# KiCad board EKO_Miner_BM1366-13xx_16-01B.kicad_pcb (continued)
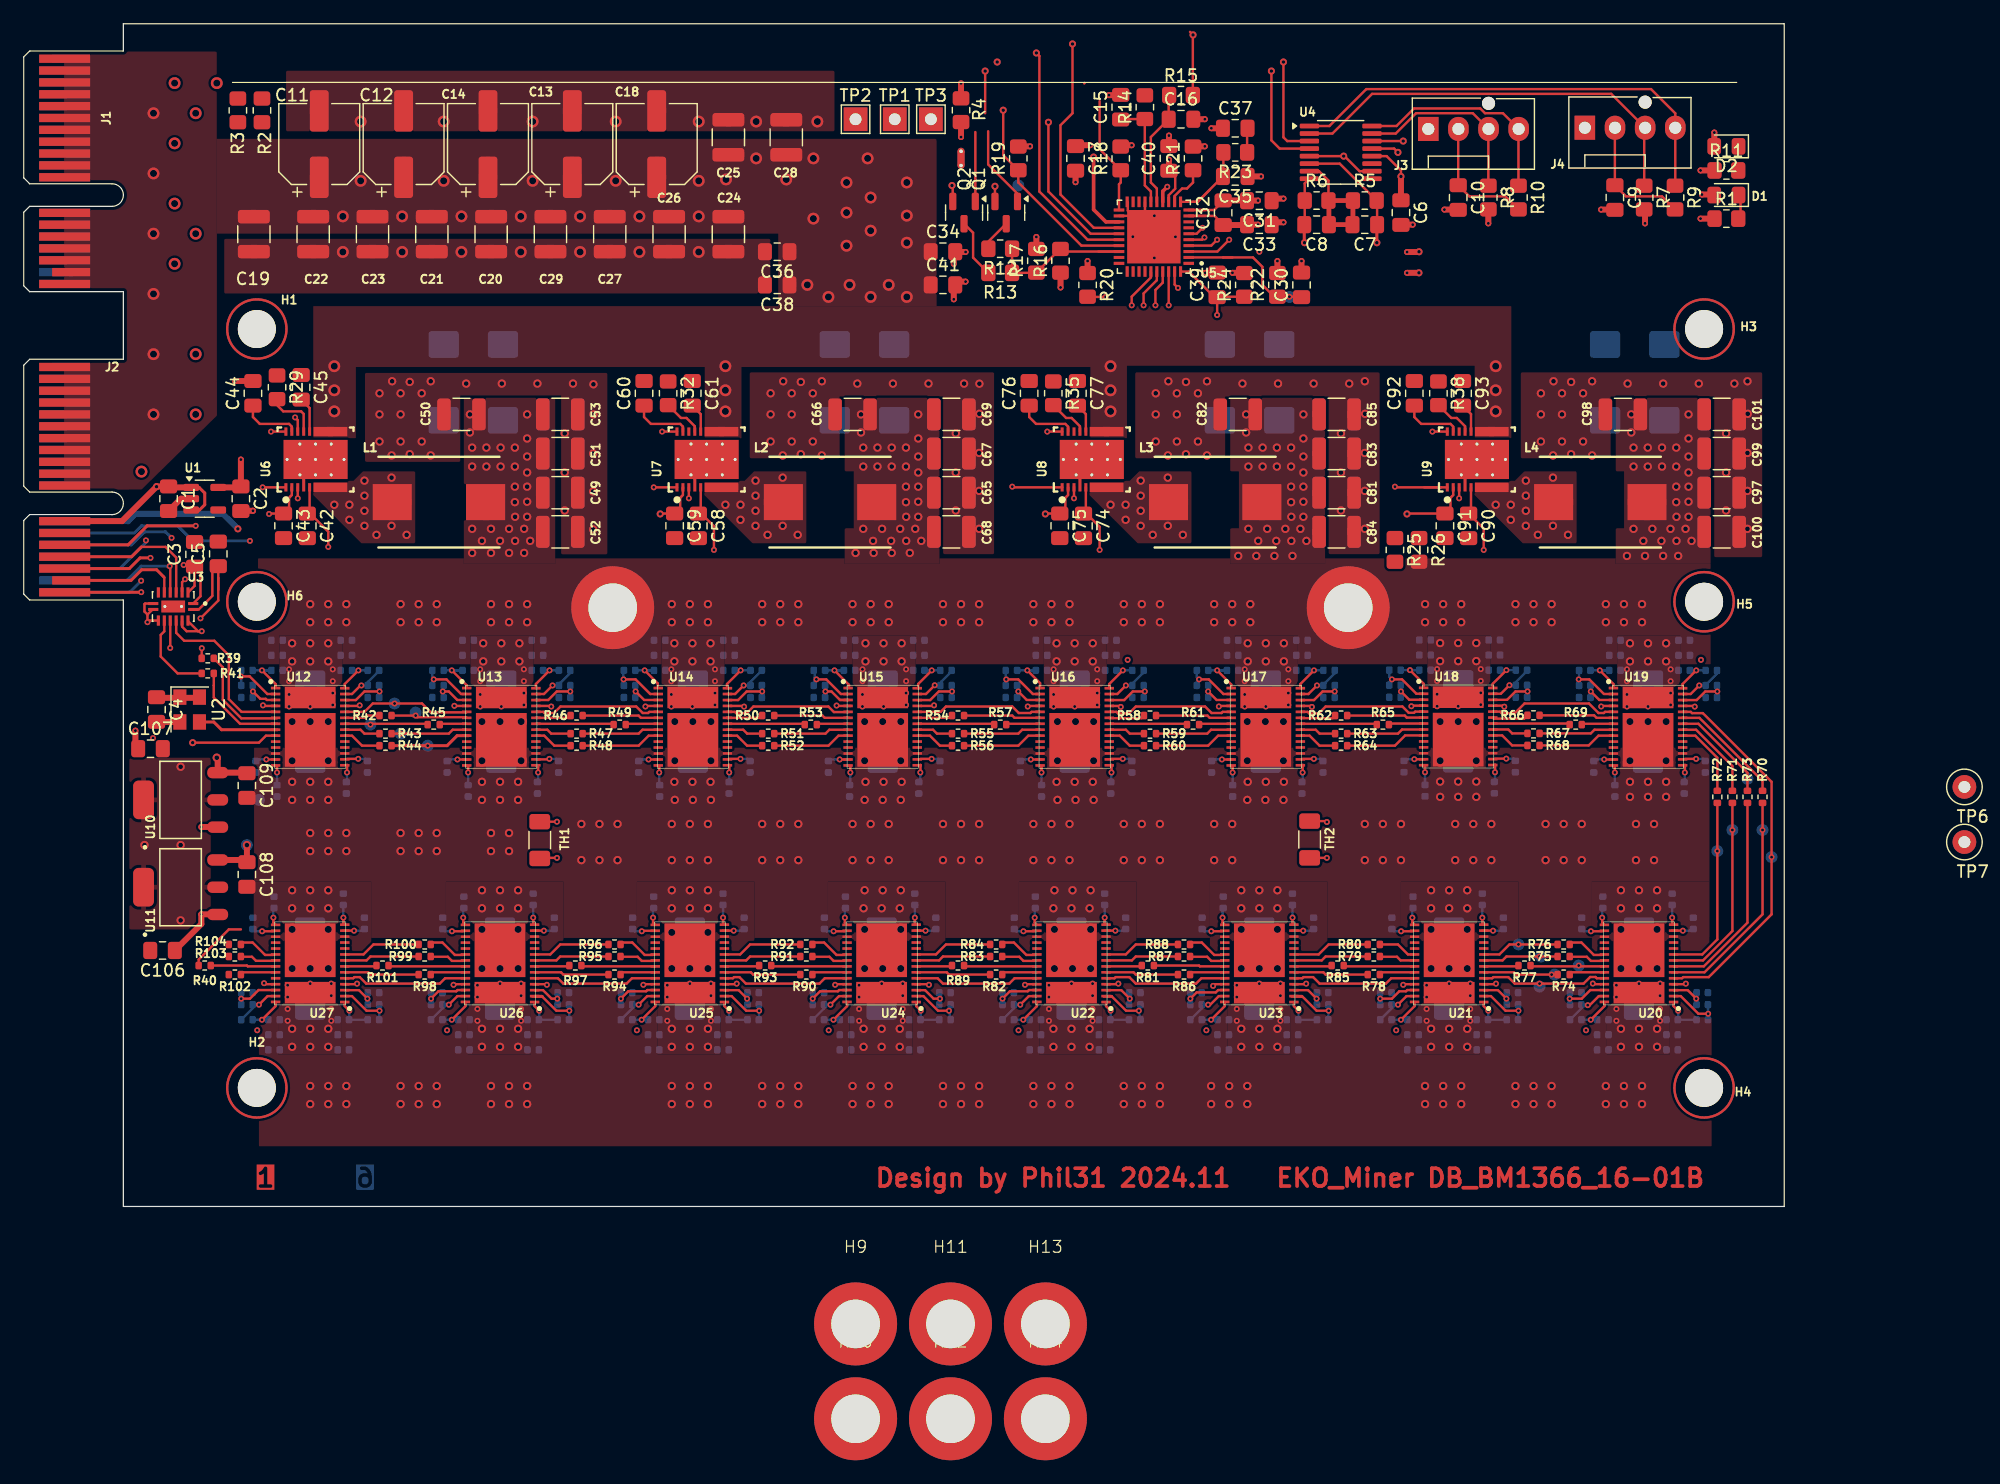
[diagram p0: board, top side]
## Nets (continued)
/ASICs/ASICs_BM1366_2/BM1366-5/VDD3_1: C346.2 C347.1 U25.26
/ASICs/ASICs_BM1366_2/BM1366-6/VDD1_0: C351.2 C353.1 U26.1
/ASICs/ASICs_BM1366_2/BM1366-6/VDD1_1: C359.2 C361.1 U26.28
/ASICs/ASICs_BM1366_2/BM1366-6/VDD2_0: C349.2 C351.1 U26.2
/ASICs/ASICs_BM1366_2/BM1366-6/VDD2_1: C361.2 C363.1 U26.27
/ASICs/ASICs_BM1366_2/BM1366-6/VDD3_0: C348.2 C349.1 U26.3
/ASICs/ASICs_BM1366_2/BM1366-6/VDD3_1: C363.2 C364.1 U26.26
/ASICs/ASICs_BM1366_2/BM1366-7/VDD1_0: C368.2 C370.1 U27.1
/ASICs/ASICs_BM1366_2/BM1366-7/VDD1_1: C376.2 C378.1 U27.28
/ASICs/ASICs_BM1366_2/BM1366-7/VDD2_0: C366.2 C368.1 U27.2
/ASICs/ASICs_BM1366_2/BM1366-7/VDD2_1: C378.2 C380.1 U27.27
/ASICs/ASICs_BM1366_2/BM1366-7/VDD3_0: C365.2 C366.1 U27.3
/ASICs/ASICs_BM1366_2/BM1366-7/VDD3_1: C380.2 C381.1 U27.26
GND: C1.2 C2.2 C3.2 C4.2 C5.2 C6.2 C9.2 C10.2 C11.2 C12.2 C13.2 C14.2 C15.2 C16.2 C18.2 C19.2 C20.2 C21.2 C22.2 C23.2 C24.2 C25.2 C26.2 C27.2 C28.2 C29.2 C34.2 C36.2 C38.2 C41.2 C42.2 C43.2 C44.2 C46.2 C47.2 C49.2 C50.2 C51.2 C52.2 C53.2 C54.2 C55.2 C56.2 C57.2 C58.2 C59.2 C60.2 C62.2 C63.2 C65.2 C66.2 C67.2 C68.2 C69.2 C70.2 C71.2 C72.2 C73.2 C74.2 C75.2 C76.2 C78.2 C79.2 C81.2 C82.2 C83.2 C84.2 C85.2 C86.2 C87.2 C88.2 C89.2 C90.2 C91.2 C92.2 C94.2 C95.2 C97.2 C98.2 C99.2 C100.2 C101.2 C102.2 C103.2 C104.2 C105.2 C106.2 C107.2 C108.2 C109.2 C110.1 C112.2 C114.2 C116.2 C117.2 C118.2 C119.2 C120.2 C122.2 C124.2 C126.2 C127.1 C129.2 C131.2 C133.2 C134.2 C135.2 C136.2 C137.2 C139.2 C141.2 C143.2 C144.1 C146.2 C148.2 C150.2 C151.2 C152.2 C153.2 C154.2 C156.2 C158.2 C160.2 C161.1 C163.2 C165.2 C167.2 C168.2 C169.2 C170.2 C171.2 C173.2 C175.2 C177.2 C178.1 C180.2 C182.2 C184.2 C185.2 C186.2 C187.2 C188.2 C190.2 C192.2 C194.2 C195.1 C197.2 C199.2 C201.2 C202.2 C203.2 C204.2 C205.2 C207.2 C209.2 C211.2 C212.1 C214.2 C216.2 C218.2 C219.2 C220.2 C221.2 C222.2 C224.2 C226.2 C228.2 C229.1 C231.2 C233.2 C235.2 C236.2 C237.2 C238.2 C239.2 C241.2 C243.2 C245.2 C246.1 C248.2 C250.2 C252.2 C253.2 C254.2 C255.2 C256.2 C258.2 C260.2 C262.2 C263.1 C265.2 C267.2 C269.2 C270.2 C271.2 C272.2 C273.2 C275.2 C277.2 C279.2 C280.1 C282.2 C284.2 C286.2 C287.2 C288.2 C289.2 C290.2 C292.2 C294.2 C296.2 C297.1 C299.2 C301.2 C303.2 C304.2 C305.2 C306.2 C307.2 C309.2 C311.2 C313.2 C314.1 C316.2 C318.2 C320.2 C321.2 C322.2 C323.2 C324.2 C326.2 C328.2 C330.2 C331.1 C333.2 C335.2 C337.2 C338.2 C339.2 C340.2 C341.2 C343.2 C345.2 C347.2 C348.1 C350.2 C352.2 C354.2 C355.2 C356.2 C357.2 C358.2 C360.2 C362.2 C364.2 C365.1 C367.2 C369.2 C371.2 C372.2 C373.2 C374.2 C375.2 C377.2 C379.2 C381.2 J1.A1 J1.A2 J1.A3 J1.A4 J1.A5 J1.A6 J1.A7 J1.A8 J1.A9 J1.A10 J1.A11 J1.A12 J1.A13 J1.A14 J1.A15 J1.A16 J1.A17 J1.A18 J2.A1 J2.A2 J2.A3 J2.A4 J2.A5 J2.A6 J2.A7 J2.A8 J2.A9 J2.A10 J2.A11 J3.1 J4.1 NT1.1 NT2.1 R1.1 R11.1 R25.2 R39.1 T1.2 TP3.1 TP7.1 U1.2 U2.2 U3.3 U3.8 U3.9 U3.10 U3.14 U3.15 U4.5 U4.10 U6.4 U7.4 U8.4 U9.4 U10.2 U10.4 U11.2 U11.4 U12.4 U12.12 U12.17 U12.25 U12.30 U13.4 U13.12 U13.17 U13.25 U13.30 U14.4 U14.12 U14.17 U14.25 U14.30 U15.4 U15.12 U15.17 U15.25 U15.30 U16.4 U16.12 U16.17 U16.25 U16.30 U17.4 U17.12 U17.17 U17.25 U17.30 U18.4 U18.12 U18.17 U18.25 U18.30 U19.4 U19.12 U19.17 U19.25 U19.30 U20.4 U20.12 U20.17 U20.25 U20.30 U21.4 U21.12 U21.17 U21.25 U21.30 U22.4 U22.12 U22.17 U22.25 U22.30 U23.4 U23.12 U23.17 U23.25 U23.30 U24.4 U24.12 U24.17 U24.25 U24.30 U25.4 U25.12 U25.17 U25.25 U25.30 U26.4 U26.12 U26.17 U26.25 U26.30 U27.4 U27.12 U27.17 U27.25 U27.30
GNDA: C17.2 C30.2 C31.1 C33.1 C39.2 C40.2 Q1.2 Q2.2 R17.2 R20.1 R22.2 R24.2 T1.1 U5.17 U5.20 U5.22 U5.41
/ASICs/ASICs_BM1366_1/BM1366-0/BI: R39.2 U12.6
/ASICs/ASICs_BM1366_1/BM1366-0/PIN_MODE: U12.18
/ASICs/ASICs_BM1366_1/BM1366-1/PIN_MODE: U13.18
/ASICs/ASICs_BM1366_1/BM1366-2/PIN_MODE: U14.18
/ASICs/ASICs_BM1366_1/BM1366-3/PIN_MODE: U15.18
/ASICs/ASICs_BM1366_1/BM1366-4/PIN_MODE: U16.18
/ASICs/ASICs_BM1366_1/BM1366-5/PIN_MODE: U17.18
/ASICs/ASICs_BM1366_1/BM1366-6/PIN_MODE: U18.18
/ASICs/ASICs_BM1366_1/BM1366-7/BO: R70.2 TP14.1 U20.6
/ASICs/ASICs_BM1366_1/BM1366-7/CLKO: R71.2 TP11.1 U20.8
/ASICs/ASICs_BM1366_1/BM1366-7/CO: R72.2 TP12.1 U20.9
/ASICs/ASICs_BM1366_1/BM1366-7/PIN_MODE: U19.18
/ASICs/ASICs_BM1366_1/BM1366-7/RI: R73.2 TP13.1 U19.22
/ASICs/ASICs_BM1366_1/BM1366-7/RSTO_n: TP10.1 U19.24 U20.5
/ASICs/ASICs_BM1366_1/BO1: R42.2 TP19.1 U13.6
/ASICs/ASICs_BM1366_1/BO2: R46.2 U14.6
/ASICs/ASICs_BM1366_1/BO3: R50.2 U15.6
/ASICs/ASICs_BM1366_1/BO4: R54.2 U16.6
/ASICs/ASICs_BM1366_1/BO5: R58.2 U17.6
/ASICs/ASICs_BM1366_1/BO6: R62.2 U18.6
/ASICs/ASICs_BM1366_1/BO7: R66.2 U19.6
/ASICs/ASICs_BM1366_1/CLKO1: R43.2 TP16.1 U13.8
/ASICs/ASICs_BM1366_1/CLKO2: R47.2 U14.8
/ASICs/ASICs_BM1366_1/CLKO3: R51.2 U15.8
/ASICs/ASICs_BM1366_1/CLKO4: R55.2 U16.8
/ASICs/ASICs_BM1366_1/CLKO5: R59.2 U17.8
/ASICs/ASICs_BM1366_1/CLKO6: R63.2 U18.8
/ASICs/ASICs_BM1366_1/CLKO7: R67.2 U19.8
/ASICs/ASICs_BM1366_1/CO1: R44.2 TP18.1 U13.9
/ASICs/ASICs_BM1366_1/CO2: R48.2 U14.9
/ASICs/ASICs_BM1366_1/CO3: R52.2 U15.9
/ASICs/ASICs_BM1366_1/CO4: R56.2 U16.9
/ASICs/ASICs_BM1366_1/CO5: R60.2 U17.9
/ASICs/ASICs_BM1366_1/CO6: R64.2 U18.9
/ASICs/ASICs_BM1366_1/CO7: R68.2 U19.9
/ASICs/ASICs_BM1366_1/RI1: R45.2 TP17.1 U12.22
/ASICs/ASICs_BM1366_1/RI02: R49.2 U13.22
/ASICs/ASICs_BM1366_1/RI3: R53.2 U14.22
/ASICs/ASICs_BM1366_1/RI4: R57.2 U15.22
/ASICs/ASICs_BM1366_1/RI5: R61.2 U16.22
/ASICs/ASICs_BM1366_1/RI6: R65.2 U17.22
/ASICs/ASICs_BM1366_1/RI7: R69.2 U18.22
/ASICs/ASICs_BM1366_1/RSTO1: TP15.1 U12.24 U13.5
/ASICs/ASICs_BM1366_1/RSTO2: U13.24 U14.5
/ASICs/ASICs_BM1366_1/RSTO3: U14.24 U15.5
/ASICs/ASICs_BM1366_1/RSTO4: U15.24 U16.5
/ASICs/ASICs_BM1366_1/RSTO5: U16.24 U17.5
/ASICs/ASICs_BM1366_1/RSTO6: U17.24 U18.5
/ASICs/ASICs_BM1366_1/RSTO7: U18.24 U19.5
/ASICs/ASICs_BM1366_2/BM1366-0/PIN_MODE: U20.18
/ASICs/ASICs_BM1366_2/BM1366-1/PIN_MODE: U21.18
/ASICs/ASICs_BM1366_2/BM1366-2/PIN_MODE: U23.18
/ASICs/ASICs_BM1366_2/BM1366-3/PIN_MODE: U22.18
/ASICs/ASICs_BM1366_2/BM1366-4/PIN_MODE: U24.18
/ASICs/ASICs_BM1366_2/BM1366-5/PIN_MODE: U25.18
/ASICs/ASICs_BM1366_2/BM1366-6/PIN_MODE: U26.18
/ASICs/ASICs_BM1366_2/BM1366-7/BO: R102.2
/ASICs/ASICs_BM1366_2/BM1366-7/CLKO: R103.2
/ASICs/ASICs_BM1366_2/BM1366-7/CO: R104.2
/ASICs/ASICs_BM1366_2/BM1366-7/PIN_MODE: U27.18
/ASICs/ASICs_BM1366_2/BM1366-7/RI: R40.2 U27.22
/ASICs/ASICs_BM1366_2/BM1366-7/RSTO_n: U27.24
/ASICs/ASICs_BM1366_2/BO1: R74.2 TP24.1 U21.6
/ASICs/ASICs_BM1366_2/BO2: R78.2 U23.6
/ASICs/ASICs_BM1366_2/BO3: R86.2 U22.6
/ASICs/ASICs_BM1366_2/BO4: R82.2 U24.6
/ASICs/ASICs_BM1366_2/BO5: R90.2 U25.6
/ASICs/ASICs_BM1366_2/BO6: R94.2 U26.6
/ASICs/ASICs_BM1366_2/BO7: R98.2 U27.6
/ASICs/ASICs_BM1366_2/CLKO1: R75.2 TP21.1 U21.8
/ASICs/ASICs_BM1366_2/CLKO2: R79.2 U23.8
/ASICs/ASICs_BM1366_2/CLKO3: R87.2 U22.8
/ASICs/ASICs_BM1366_2/CLKO4: R83.2 U24.8
/ASICs/ASICs_BM1366_2/CLKO5: R91.2 U25.8
/ASICs/ASICs_BM1366_2/CLKO6: R95.2 U26.8
/ASICs/ASICs_BM1366_2/CLKO7: R99.2 U27.8
/ASICs/ASICs_BM1366_2/CO1: R76.2 TP23.1 U21.9
/ASICs/ASICs_BM1366_2/CO2: R80.2 U23.9
/ASICs/ASICs_BM1366_2/CO3: R88.2 U22.9
/ASICs/ASICs_BM1366_2/CO4: R84.2 U24.9
/ASICs/ASICs_BM1366_2/CO5: R92.2 U25.9
/ASICs/ASICs_BM1366_2/CO6: R96.2 U26.9
/ASICs/ASICs_BM1366_2/CO7: R100.2 U27.9
/ASICs/ASICs_BM1366_2/RI1: R77.2 TP22.1 U20.22
/ASICs/ASICs_BM1366_2/RI02: R85.2 U21.22
/ASICs/ASICs_BM1366_2/RI3: R81.2 U23.22
/ASICs/ASICs_BM1366_2/RI4: R89.2 U22.22
/ASICs/ASICs_BM1366_2/RI5: R93.2 U24.22
/ASICs/ASICs_BM1366_2/RI6: R97.2 U25.22
/ASICs/ASICs_BM1366_2/RI7: R101.2 U26.22
/ASICs/ASICs_BM1366_2/RSTO1: TP20.1 U20.24 U21.5
/ASICs/ASICs_BM1366_2/RSTO2: U21.24 U23.5
/ASICs/ASICs_BM1366_2/RSTO3: U22.5 U23.24
/ASICs/ASICs_BM1366_2/RSTO4: U22.24 U24.5
/ASICs/ASICs_BM1366_2/RSTO5: U24.24 U25.5
/ASICs/ASICs_BM1366_2/RSTO6: U25.24 U26.5
/ASICs/ASICs_BM1366_2/RSTO7: U26.24 U27.5
/ASICs/CLKI: U2.3 U12.8
/CI: U3.12 U12.9
/DB_ALERTn_oc: J2.B14 R4.1 U5.25
/DB_RX: J2.B17 U3.6
/DB_SCL: J2.A16 R2.1 TP1.1 U4.14 U5.24
/DB_SDA: J2.B16 R3.1 TP2.1 U4.13 U5.26
/DB_TX: J2.A17 U3.5
/EN_DRV: J2.A13 U6.3 U7.3 U8.3 U9.3
/FAN/FAN1_PWM: J4.4 R9.1 U4.1
/FAN/FAN1_TACH: J4.3 R7.1 U4.2
/FAN/FAN2_PWM: J3.4 R10.1 U4.16
/FAN/FAN2_TACH: J3.3 R8.1 U4.15
/ID0: J2.A18 Q1.1 U4.3
/ID1: J2.B18 Q2.1 U4.4
/PSU_160A/CSP1: U5.3 U9.1
/PSU_160A/CSP2: U5.4 U8.1
/PSU_160A/CSP3: U5.5 U7.1
/PSU_160A/CSP4: U5.6 U6.1
/PSU_160A/FFCM: U6.10 U7.10 U8.10 U9.10
/PSU_160A/PGOOD: D2.2 R19.1 TP4.1 U5.27
/PSU_160A/PWM1: U5.38 U9.12
/PSU_160A/PWM2: U5.37 U8.12
/PSU_160A/PWM3: U5.36 U7.12
/PSU_160A/PWM4: U5.35 U6.12
/PSU_160A/TSEN: C39.1 C44.1 C60.1 C76.1 C92.1 R24.1 U5.40 U6.11 U7.11 U8.11 U9.11
/RO: R41.2 U3.11
/RST_ASICn: J2.B15 U3.4
/RST_BUCKn: J2.A14 R18.1 U5.21
/RSTIn: U3.13 U12.5
VPWR_ASIC: C46.1 C47.1 C49.1 C50.1 C51.1 C52.1 C53.1 C54.1 C55.1 C56.1 C57.1 C62.1 C63.1 C65.1 C66.1 C67.1 C68.1 C69.1 C70.1 C71.1 C72.1 C73.1 C78.1 C79.1 C81.1 C82.1 C83.1 C84.1 C85.1 C86.1 C87.1 C88.1 C89.1 C94.1 C95.1 C97.1 C98.1 C99.1 C100.1 C101.1 C102.1 C103.1 C104.1 C105.1 C115.2 C116.1 C117.1 C118.1 C119.1 C120.1 C121.1 C132.2 C133.1 C134.1 C135.1 C136.1 C137.1 C138.1 C149.2 C150.1 C151.1 C152.1 C153.1 C154.1 C155.1 C166.2 C167.1 C168.1 C169.1 C170.1 C171.1 C172.1 C183.2 C184.1 C185.1 C186.1 C187.1 C188.1 C189.1 C200.2 C201.1 C202.1 C203.1 C204.1 C205.1 C206.1 C217.2 C218.1 C219.1 C220.1 C221.1 C222.1 C223.1 C234.2 C235.1 C236.1 C237.1 C238.1 C239.1 C240.1 C251.2 C252.1 C253.1 C254.1 C255.1 C256.1 C257.1 C268.2 C269.1 C270.1 C271.1 C272.1 C273.1 C274.1 C285.2 C286.1 C287.1 C288.1 C289.1 C290.1 C291.1 C302.2 C303.1 C304.1 C305.1 C306.1 C307.1 C308.1 C319.2 C320.1 C321.1 C322.1 C323.1 C324.1 C325.1 C336.2 C337.1 C338.1 C339.1 C340.1 C341.1 C342.1 C353.2 C354.1 C355.1 C356.1 C357.1 C358.1 C359.1 C370.2 C371.1 C372.1 C373.1 C374.1 C375.1 C376.1 H7.1 H8.1 H9.1 H10.1 H11.1 H12.1 H13.1 H14.1 L1.2 L2.2 L3.2 L4.2 R26.2 TP6.1 U12.29 U13.29 U14.29 U15.29 U16.29 U17.29 U18.29 U19.29 U20.29 U21.29 U22.29 U23.29 U24.29 U25.29 U26.29 U27.29
VREF: C35.1 C37.1 C40.1 C43.1 C59.1 C75.1 C91.1 R16.1 R21.2 U5.13 U6.2 U7.2 U8.2 U9.2
Net-(C37-Pad2): C37.2 R23.1
Net-(C45-Pad1): C45.1 R29.1
Net-(C61-Pad1): C61.1 R32.1
Net-(C77-Pad1): C77.1 R35.1
Net-(C93-Pad1): C93.1 R38.1
Net-(D1-K): D1.1 R1.2
Net-(D2-K): D2.1 R11.2
Net-(NT1-Pad2): NT1.2 TH1.2
Net-(NT2-Pad2): NT2.2 TH2.2
Net-(Q1-D): Q1.3 R12.2
Net-(Q2-D): Q2.3 R13.2
Net-(U4-REF): C7.2 C8.1 R5.1 R6.2 U4.7
Net-(U4-TH1): C7.1 R5.2 TH2.1 U4.6
Net-(U4-TH2): C8.2 R6.1 TH1.1 U4.8
Net-(U5-ADDR_TRISE): R12.1 R13.1 R16.2 R17.1 U5.28
Net-(U5-COMP): C35.2 R23.2 U5.11
Net-(U5-IMON): C30.1 R22.1 TP5.1 U5.2
Net-(U5-ISUM): R21.1 U5.12
Net-(U5-SKIP#_NVM): R20.2 U5.39
Net-(U5-V5): C16.1 R15.1 U5.15
Net-(U5-V12): C15.1 R14.1 U5.16
Net-(U5-VSN): C31.2 C32.2 R25.1 U5.10
Net-(U5-VSP): C32.1 C33.2 R26.1 U5.9
Net-(U6-BOOT): R29.2 U6.9
Net-(U6-BOOTR): C45.2 U6.8
Net-(U6-SW): L1.1 U6.6
Net-(U7-BOOT): R32.2 U7.9
Net-(U7-BOOTR): C61.2 U7.8
Net-(U7-SW): L2.1 U7.6
Net-(U8-BOOT): R35.2 U8.9
Net-(U8-BOOTR): C77.2 U8.8
Net-(U8-SW): L3.1 U8.6
Net-(U9-BOOT): R38.2 U9.9
Net-(U9-BOOTR): C93.2 U9.8
Net-(U9-SW): L4.1 U9.6
Net-(U12-BO): R42.1 U12.23
Net-(U12-CLKO): R43.1 U12.21
Net-(U12-CO): R44.1 U12.20
Net-(U12-RO): R41.1 U12.7
Net-(U13-BO): R46.1 U13.23
Net-(U13-CLKO): R47.1 U13.21
Net-(U13-CO): R48.1 U13.20
Net-(U13-RO): R45.1 U13.7
Net-(U14-BO): R50.1 U14.23
Net-(U14-CLKO): R51.1 U14.21
Net-(U14-CO): R52.1 U14.20
Net-(U14-RO): R49.1 U14.7
Net-(U15-BO): R54.1 U15.23
Net-(U15-CLKO): R55.1 U15.21
Net-(U15-CO): R56.1 U15.20
Net-(U15-RO): R53.1 U15.7
Net-(U16-BO): R58.1 U16.23
Net-(U16-CLKO): R59.1 U16.21
Net-(U16-CO): R60.1 U16.20
Net-(U16-RO): R57.1 U16.7
Net-(U17-BO): R62.1 U17.23
Net-(U17-CLKO): R63.1 U17.21
Net-(U17-CO): R64.1 U17.20
Net-(U17-RO): R61.1 U17.7
Net-(U18-BO): R66.1 U18.23
Net-(U18-CLKO): R67.1 U18.21
Net-(U18-CO): R68.1 U18.20
Net-(U18-RO): R65.1 U18.7
Net-(U19-BO): R70.1 U19.23
Net-(U19-CLKO): R71.1 U19.21
Net-(U19-CO): R72.1 U19.20
Net-(U19-RO): R69.1 U19.7
Net-(U20-BO): R74.1 U20.23
Net-(U20-CLKO): R75.1 U20.21
Net-(U20-CO): R76.1 U20.20
Net-(U20-RO): R73.1 U20.7
Net-(U21-BO): R78.1 U21.23
Net-(U21-CLKO): R79.1 U21.21
Net-(U21-CO): R80.1 U21.20
Net-(U21-RO): R77.1 U21.7
Net-(U22-BO): R82.1 U22.23
Net-(U22-CLKO): R83.1 U22.21
Net-(U22-CO): R84.1 U22.20
Net-(U22-RO): R81.1 U22.7
Net-(U23-BO): R86.1 U23.23
Net-(U23-CLKO): R87.1 U23.21
Net-(U23-CO): R88.1 U23.20
Net-(U23-RO): R85.1 U23.7
Net-(U24-BO): R90.1 U24.23
Net-(U24-CLKO): R91.1 U24.21
Net-(U24-CO): R92.1 U24.20
Net-(U24-RO): R89.1 U24.7
Net-(U25-BO): R94.1 U25.23
Net-(U25-CLKO): R95.1 U25.21
Net-(U25-CO): R96.1 U25.20
Net-(U25-RO): R93.1 U25.7
Net-(U26-BO): R98.1 U26.23
Net-(U26-CLKO): R99.1 U26.21
Net-(U26-CO): R100.1 U26.20
Net-(U26-RO): R97.1 U26.7
Net-(U27-BO): R102.1 U27.23
Net-(U27-CLKO): R103.1 U27.21
Net-(U27-CO): R104.1 U27.20
Net-(U27-RO): R101.1 U27.7

Pads without a net: J2 A15 B13; U1 4; U3 7 17; U4 9 11; U5 1 7 8 18 19 29 30 31 32 33 34; U12 10 11 19; U13 10 11 19; U14 10 11 19; U15 10 11 19; U16 10 11 19; U17 10 11 19; U18 10 11 19; U19 10 11 19; U20 10 11 19; U21 10 11 19; U22 10 11 19; U23 10 11 19; U24 10 11 19; U25 10 11 19; U26 10 11 19; U27 10 11 19

## Via types
v1: diameter 0.7, hole 0.4, Top to Bottom, 714 vias
v2: diameter 1, hole 0.6, Top to Bottom, 154 vias
v3: diameter 0.5, hole 0.25, Top to Bottom, 462 vias
v4: diameter 0.6, hole 0.3, Top to Bottom, 26 vias

## Routing (per net, layer and track width the routed paths; a pad name or vN(x,y) marks a point on that pad's centre or on a via; arc(x,y) is an arc through that point)
+0.8V: length 80.4
  Top w0.2: v3(68.78,37.7) 68.79,37.7 69.72,37.7 ; v3(52.67,37.7) 52.67,37.7 53.61,37.7 ; v3(123.86,23.26) 123.86,23.26 122.92,23.26 ; 117.05,23.21 v3(116.11,23.21) ; 134.16,37.7 133.23,37.7 v3(133.23,37.7) ; U25.16 52.14,23.25 v3(52.1,23.21) ; 69.21,23.21 v3(68.27,23.21) ; 138.93,23.26 139.86,23.26 v3(139.86,23.26) ; v3(101,37.7) 101.01,37.7 101.94,37.7 ; 43.41,37.71 44.27,37.71 v3(44.31,37.75) ; v3(20.45,37.7) 20.45,37.7 21.38,37.7 ; v3(117.22,37.72) 117.23,37.72 118.16,37.72 ; 107.81,37.75 v3(108.75,37.75) ; v3(36.56,37.7) 36.56,37.7 37.5,37.7 ; v3(92.02,23.26) 92.02,23.26 91.09,23.26 ; v3(107.86,23.26) 107.85,23.26 106.92,23.26 ; v3(84.89,37.7) 84.9,37.7 85.83,37.7 ; 27.26,37.75 v3(28.2,37.75) ; v3(43.85,23.26) 43.84,23.26 42.91,23.26 ; v3(76.02,23.26) 76.02,23.26 75.08,23.26 ; 18.77,29.22 18.81,29.18 ; 133.05,23.21 v3(132.11,23.21) ; 21.04,23.21 v3(20.1,23.21) ; 75.59,37.75 v3(76.53,37.75) ; 26.91,23.26 27.84,23.26 v3(27.85,23.26) ; 91.7,37.75 v3(92.64,37.75) ; 140.03,37.75 v3(140.98,37.75) ; 58.92,23.26 59.85,23.26 v3(59.85,23.26) ; 85.21,23.21 v3(84.27,23.21) ; 37.04,23.21 v3(36.1,23.21) ; 124.03,37.77 v3(124.97,37.77) ; 59.48,37.75 v3(60.42,37.75) ; 101.05,23.21 v3(100.11,23.21)
  Top w0.5: 18.81,29.18 v1(18.81,30.48) ; U11.3 18.77,29.22
  In2.Cu w0.5: v3(20.1,23.21) 19.23,23.21 18.81,23.62 v1(18.81,30.48) 17.8,31.5 17.8,36.58 18.92,37.7 v3(20.45,37.7)
  Bottom w0.2: C243.1 141.56,37.75 v3(140.98,37.75) ; C345.1 51.51,23.21 v3(52.1,23.21) ; v3(36.1,23.21) 35.51,23.21 C362.1 ; 77.31,37.56 77.12,37.75 v3(76.53,37.75) ; v3(52.67,37.7) 51.93,37.7 51.8,37.56 ; C226.1 125.56,37.77 v3(124.97,37.77) ; v3(76.02,23.26) 76.76,23.26 C316.1 ; v3(60.42,37.75) 61.01,37.75 61.2,37.56 ; v3(20.1,23.21) 19.51,23.21 C379.1 ; v3(92.64,37.75) 93.23,37.75 C192.1 ; C294.1 83.68,23.21 v3(84.27,23.21) ; v3(139.86,23.26) 140.6,23.26 C248.1 ; v3(133.23,37.7) 132.49,37.7 C231.1 ; C367.1 28.58,23.26 v3(27.85,23.26) ; v3(84.89,37.7) 84.16,37.7 C180.1 ; v3(123.86,23.26) 124.6,23.26 C265.1 ; C197.1 100.27,37.7 v3(101,37.7) ; C209.1 109.34,37.75 v3(108.75,37.75) ; v3(59.85,23.26) 60.59,23.26 C333.1 ; v3(68.27,23.21) 67.68,23.21 C328.1 ; C282.1 92.76,23.26 v3(92.02,23.26) ; v3(132.11,23.21) 131.52,23.21 C260.1 ; C299.1 108.59,23.26 v3(107.86,23.26) ; v3(36.56,37.7) 35.82,37.7 C129.1 ; C277.1 115.52,23.21 v3(116.11,23.21) ; 67.91,37.56 68.04,37.7 v3(68.78,37.7) ; C214.1 116.49,37.72 v3(117.22,37.72) ; v3(100.11,23.21) 99.52,23.21 C311.1 ; C124.1 28.79,37.75 v3(28.2,37.75) ; v3(44.31,37.75) 44.9,37.75 C141.1 ; v3(20.45,37.7) 19.71,37.7 C112.1 ; C350.1 44.59,23.26 v3(43.85,23.26)
+1.2V: length 92.8
  Top w0.2: 16.4,52 16.4,53 ; 16.4,53 C5.1 15.9,53.5 15.9,51.5 14.75,50.35 U3.16 ; 16.4,53 16.4,51.1 v3(14.9,49.6) ; U23.14 106.96,23.88 v3(106.96,24.36) ; U24.15 69.22,23.94 v3(69.22,24.36) ; U21.15 117.06,23.94 v3(117.06,24.36) ; U19.14 134.13,37.08 v3(134.13,36.6) ; U13.14 37.46,37.08 v3(37.46,36.6) ; 53.45,37.19 53.57,37.08 v3(53.57,36.6) ; v3(107.8,36.6) 107.81,36.61 107.81,37.25 ; U26.15 37.05,23.94 v3(37.05,24.36) ; v3(140.03,36.6) 140.03,36.61 140.03,37.25 ; U20.14 138.96,23.88 v3(138.96,24.36) ; 118.01,37.22 118.12,37.1 v3(118.12,36.62) ; v3(59.47,36.6) 59.48,36.61 59.48,37.25 ; U12.14 21.35,37.08 v3(21.35,36.6) ; 91.7,37.25 91.7,36.61 v3(91.69,36.6) ; v3(21.05,24.36) 21.05,23.94 U27.15 ; 27.26,37.25 27.26,36.61 v3(27.25,36.6) ; v3(85.22,24.36) 85.22,23.94 U22.15 ; v3(75.12,24.36) 75.12,23.88 U24.14 ; v3(26.95,24.36) 26.95,23.88 U27.14 ; v3(101.06,24.36) 101.06,23.94 U23.15 ; v3(75.58,36.6) 75.59,36.61 75.59,37.25 ; U20.15 133.06,23.94 v3(133.06,24.36) ; U22.14 91.12,23.88 v3(91.12,24.36) ; R40.1 14.75,20.83 17.29,23.37 18.31,23.37 ; v3(43.36,36.6) 43.36,37.02 U13.15 ; U25.14 58.95,23.88 v3(58.95,24.36) ; U17.14 101.9,37.08 v3(101.9,36.6) ; v3(122.96,24.36) 122.96,23.88 U21.14 ; U25.15 53.05,23.94 v3(53.05,24.36) ; U16.14 85.79,37.08 v3(85.79,36.6) ; 69.56,37.19 69.68,37.08 v3(69.68,36.6) ; U26.14 42.95,23.88 v3(42.95,24.36) ; 124.03,37.27 124.03,36.63 v3(124.02,36.62)
  Top w0.5: 16.4,36.54 U10.3 ; U10.3 18.76,36.59 C109.1 ; U10.3 16.35,37.77 v1(16.27,37.85) ; 11.19,42.9 14.75,42.9 U2.4
  In2.Cu w0.5: v3(14.9,49.6) 13.3,49.6 11.19,47.5 11.19,40.39 13.73,37.85 v1(16.27,37.85)
  Bottom w0.2: v3(69.22,24.36) 69.22,25.12 C318.1 ; C267.1 117.06,25.12 v3(117.06,24.36) ; v3(133.06,24.36) 133.06,25.12 C250.1 ; v3(106.96,24.36) 106.96,25.42 C309.1 ; v3(138.96,24.36) 138.96,25.42 C258.1 ; v3(85.79,36.6) 85.79,35.54 C190.1 ; v3(124.02,36.62) 124.02,35.86 C216.1 ; C114.1 27.25,35.84 v3(27.25,36.6) ; 53.58,35.53 53.57,35.54 v3(53.57,36.6) ; v3(85.22,24.36) 85.22,25.12 C284.1 ; v3(21.05,24.36) 21.05,25.12 C369.1 ; C343.1 58.95,25.42 v3(58.95,24.36) ; v3(21.35,36.6) 21.35,35.54 C122.1 ; C275.1 122.96,25.42 v3(122.96,24.36) ; v3(140.03,36.6) 140.03,35.84 C233.1 ; v3(75.58,36.6) 75.58,35.84 75.53,35.79 ; C224.1 118.12,35.56 v3(118.12,36.62) ; v3(134.13,36.6) 134.13,35.54 C241.1 ; v3(53.05,24.36) 53.05,25.12 C335.1 ; C292.1 91.12,25.42 v3(91.12,24.36) ; v3(69.68,36.6) 69.68,35.54 ; C301.1 101.06,25.12 v3(101.06,24.36) ; C139.1 37.46,35.54 v3(37.46,36.6) ; C377.1 26.95,25.42 v3(26.95,24.36) ; 59.42,35.79 59.47,35.84 v3(59.47,36.6) ; v3(101.9,36.6) 101.9,35.54 C207.1 ; v3(91.69,36.6) 91.69,35.84 C182.1 ; v3(43.36,36.6) 43.36,35.84 C131.1 ; C360.1 42.95,25.42 v3(42.95,24.36) ; C352.1 37.05,25.12 v3(37.05,24.36) ; v3(75.12,24.36) 75.12,25.42 C326.1 ; C199.1 107.8,35.84 v3(107.8,36.6)
+3.3V_DB: length 162
  Top w0.2: U3.2 14.4,52.33 C3.1 ; C3.1 14.26,54.1 v3(13.48,54.1) ; C3.1 14.9,53.46 14.9,51.47 U3.1 ; U4.12 114.89,88.58 116.1,87.38 116.1,86.89 ; 89.4,94.72 89.43,94.74 ; 18.22,60.64 C2.1
  Top w0.5: U1.5 18.22,60.64 ; C6.1 116.1,86.89 ; 79.01,93.73 v3(79.01,94.72) ; 136.67,84.07 v3(136.67,82.91) ; 142.63,85.34 v3(141.47,85.34) ; 123.46,84.07 v3(123.46,82.91) ; C2.1 v3(18.31,62.99)
  In2.Cu w0.2: v3(13.48,54.1) 13.48,58.17 v3(18.31,62.99)
  In2.Cu w0.5: v3(18.31,62.99) 18.31,68.33 22.37,72.39 22.37,91.95 25.16,94.74 110.25,94.74 111.78,93.22 111.78,91.19 v4(116.1,86.87)
+3.3VP: length 11.4
  Top w0.3: U5.14 96.02,85.62 v3(96.4,86) ; v4(90.19,88.5) 90.19,84.07 91.22,83.04 U5.23
  Top w0.5: 88.9,89.5 v3(89.89,89.5) ; 83.84,89.41 v3(84.83,89.41) ; 92.4,89.5 v3(93.39,89.5)
+5V_PSU: length 152.3
  Top w0.2: U9.5 122,58.64 C90.1 123.07,57.17 v3(123.07,55.37) ; U8.5 89.54,58.64 C74.1 89.58,58.44 90.7,57.32 v3(90.7,55.37) ; U7.5 57.07,58.64 C58.1 57.11,58.44 58.18,57.36 v3(58.18,55.37) ; U6.5 24.1,58.64 C42.1 24.14,58.44 25.67,56.91 v3(25.67,55.63)
  In2.Cu w0.5: v4(18.05,57.15) 18.05,55.63 18.81,54.86 24.91,54.86 v3(25.67,55.63) 27.45,53.85 32.02,53.85 32.78,53.09 45.48,53.09 47.26,54.86 51.07,54.86 51.58,55.37 v3(58.18,55.37) 60.11,53.45 88.77,53.45 v3(90.7,55.37) 91.44,55.37 93.98,52.83 108.1,52.83 110.64,55.37 v3(123.07,55.37)
  Bottom w0.1: 8.8,57.8 8.81,57.78
  Bottom w0.5: J2.A12 8.8,57.8 ; v4(18.05,57.15) 16.78,58.42 9.42,58.42 8.81,57.81 8.81,57.78
+5V_STDBY: length 186.3
  Top w0.2: 98.32,99.06 v4(98.57,98.81) 98.55,98.79 R15.2
  Top w0.25: U1.3 14.82,58.74 15.26,59.18 15.26,60.16 14.78,60.64 U1.1
  Top w0.5: U10.1 16.34,32 v3(14.97,32) ; C107.1 9.42,38.84 v3(9.42,40.13) ; 4.6,57.8 8.29,57.8 v4(11.19,60.71) 11.22,60.73 C1.1 12.3,60.64 U1.1 ; C106.1 14.97,23.82 v3(14.97,24.64) 16.34,24.64 U11.1
  In2.Cu w0.5: 15.58,81.28 15.58,79.57 12.72,76.71 12.72,64.26 11.19,62.74 v4(11.19,60.71) 9.2,58.71 9.2,40.35 v3(9.42,40.13) 9.42,37.56 v3(14.97,32) v3(14.97,24.64) ; 15.58,81.28 15.58,91.51 22.88,98.81 v4(98.57,98.81) ; 15.58,81.28 15.58,81.09
+12V_PWR: length 21.4
  Top w0.2: J4.2 134.13,90.97 C9.1 135.07,85.19 138.1,85.19 R9.2 ; R10.2 124.9,85.19 121.86,85.19 C10.1 120.92,90.86 J3.2
  vias: v2(10.94,92.2) v2(10.94,87.12) v2(10.94,82.04) v2(10.94,76.96) v2(10.94,71.88) v2(10.94,66.8) v2(26.18,70.87) v2(26.18,68.83) v2(26.18,67.06) v2(26.9,83.5) v2(28.4,86.5) v2(31.9,83.5) v2(35.4,86.5) v2(36.9,83.5) v2(41.9,83.5) v2(42.9,86.5) v2(46.9,83.5) v2(49.9,86.5) v2(51.9,83.5) v2(56.9,86.5) v2(56.9,83.5) v2(59.2,86.61) v2(59.15,70.87) v2(59.15,68.83) v2(59.15,67.06) v2(61.74,88.39) v2(64.28,86.61) v2(66.06,77.72) v2(66.57,88.39) v2(66.57,83.31) v2(67.84,76.71) v2(69.36,86.36) v2(69.36,83.82) v2(69.36,81.03) v2(69.61,77.72) v2(71.14,88.39) v2(71.39,85.09) v2(71.39,82.3) v2(71.39,76.71) v2(72.92,77.72) v2(74.44,86.36) v2(74.44,83.57) v2(74.44,81.28) v2(74.44,76.71) v2(91.62,70.87) v2(91.62,68.83) v2(91.62,67.06) v2(124.08,70.87) v2(124.08,68.83) v2(124.08,67.06)
/ASICs/ASICs_BM1366_1/BM1366-0/VDD1_0: length 4.3
  Top w0.2: U12.1 21.23,44.06 v3(20.08,45.21)
  Bottom w0.2: v3(20.08,45.21) C115.1 C113.2
/ASICs/ASICs_BM1366_1/BM1366-0/VDD1_1: length 3.3
  Top w0.2: v3(28.21,45.21) 27.06,44.06 U12.28
  Bottom w0.2: C123.1 C121.2
/ASICs/ASICs_BM1366_1/BM1366-0/VDD2_0: length 4.8
  Top w0.2: U12.2 20.53,43.22 19.05,44.7 v3(18.31,44.7)
  Bottom w0.2: C113.1 18.33,44.73 v3(18.31,44.7) 18.33,44.68 C111.2
/ASICs/ASICs_BM1366_1/BM1366-0/VDD2_1: length 3.9
  Top w0.2: U12.27 27.67,43.22 28.39,43.94 v3(28.47,43.94)
  Bottom w0.2: C123.2 29.96,45.18 29,44.22 C125.1 v3(28.47,43.94)
/ASICs/ASICs_BM1366_1/BM1366-0/VDD3_0: length 3.2
  Top w0.2: v3(19.32,43.43) 19.94,42.81 20.4,42.81 20.49,42.72 U12.3
  Bottom w0.2: C111.1 19.29,43.46 v3(19.32,43.43) 19.29,43.41 C110.2
/ASICs/ASICs_BM1366_1/BM1366-0/VDD3_1: length 4.3
  Top w0.2: U12.26 27.99,42.71 28.72,43.43 v3(29.99,43.43)
  Bottom w0.2: C125.2 29.96,43.46 v3(29.99,43.43) 29.96,43.41 C126.1
/ASICs/ASICs_BM1366_1/BM1366-1/VDD1_0: length 4.5
  Top w0.2: v3(36.09,45.21) 37.34,43.96 U13.1
  Bottom w0.2: v3(36.09,45.21) C132.1 C130.2
/ASICs/ASICs_BM1366_1/BM1366-1/VDD1_1: length 3.3
  Top w0.2: U13.28 43.17,44.06 v3(44.32,45.21)
  Bottom w0.2: C140.1 C138.2
/ASICs/ASICs_BM1366_1/BM1366-1/VDD2_0: length 4.7
  Top w0.2: v3(34.56,44.45) 35.64,44.45 36.87,43.22 U13.2
  Bottom w0.2: C128.2 34.44,44.33 v3(34.56,44.45) 34.44,44.57 C130.1
/ASICs/ASICs_BM1366_1/BM1366-1/VDD2_1: length 3.9
  Top w0.2: v3(44.58,43.94) 43.85,43.22 U13.27
  Bottom w0.2: v3(44.58,43.94) C142.1 45.11,44.04 46.07,45 C140.2
/ASICs/ASICs_BM1366_1/BM1366-1/VDD3_0: length 3.4
  Top w0.2: v3(35.32,43.43) 35.83,43.43 36.55,42.72 U13.3
  Bottom w0.2: C127.2 35.4,43.35 v3(35.32,43.43) 35.4,43.51 C128.1
/ASICs/ASICs_BM1366_1/BM1366-1/VDD3_1: length 4.2
  Top w0.2: U13.26 43.18,42.71 44.21,42.71 44.93,43.43 v3(46.07,43.43)
  Bottom w0.2: C142.2 C143.1
/ASICs/ASICs_BM1366_1/BM1366-2/VDD1_0: length 4.3
  Top w0.2: 53.45,43.72 53.45,44.1 v3(52.34,45.21)
  Bottom w0.2: v3(52.34,45.21) 53.1,45.21 51.52,45.21
/ASICs/ASICs_BM1366_1/BM1366-2/VDD1_1: length 3.3
  Top w0.2: 59.29,43.71 59.29,44.06 v3(60.43,45.21)
  Bottom w0.2: 61.22,45.21 59.9,45.21
/ASICs/ASICs_BM1366_1/BM1366-2/VDD2_0: length 4.7
  Top w0.2: 53.45,43.22 52.81,43.22 51.58,44.45 v3(50.56,44.45)
  Bottom w0.2: 50.56,45.21 50.56,44.46 v3(50.56,44.45) 50.56,44.44 50.56,43.94
/ASICs/ASICs_BM1366_1/BM1366-2/VDD2_1: length 3.9
  Top w0.2: v3(60.69,43.94) 59.96,43.22 59.29,43.22
  Bottom w0.2: 62.18,45.21 62.18,45.16 61.22,44.2 61.22,43.94 v3(60.69,43.94)
/ASICs/ASICs_BM1366_1/BM1366-2/VDD3_0: length 3.2
  Top w0.2: 53.45,42.72 52.3,42.72 v3(51.58,43.43)
  Bottom w0.2: 51.52,42.93 51.52,43.37 v3(51.58,43.43) 51.52,43.5 51.52,43.94
/ASICs/ASICs_BM1366_1/BM1366-2/VDD3_1: length 4.3
  Top w0.2: v3(62.25,43.43) 60.94,43.43 60.22,42.71 59.29,42.71
  Bottom w0.2: 62.18,43.94 62.18,43.5 v3(62.25,43.43) 62.18,43.37 62.18,42.93
/ASICs/ASICs_BM1366_1/BM1366-3/VDD1_0: length 4.4
  Top w0.2: 69.56,43.72 69.56,43.99 v3(68.34,45.21)